# Allegro board SG2042_EVB_V1_1.brd (continued)
## Placement (name value [footprint] x y rotation side) (continued)
NOREF#15  -  [unnamed#2]  97.97 146.15 0 top
NOREF#16  -  [unnamed#3]  308.29 11 0 top
NOREF#17  VALUE  [unnamed#2]  309.3 8 0 top
NOREF#18  VALUE  [unnamed#2]  -4.5 240.84 0 top
NOREF#19  -  [unnamed#3]  -3.49 6 0 top
NOREF#20  VALUE  [unnamed#2]  309.3 235.84 0 top
NOREF#21  -  [unnamed#3]  -3.49 237.84 0 top
NOREF#22  VALUE  [unnamed#2]  -4.5 3 0 top
NOREF#23  -  [unnamed#3]  308.29 11 180 bottom
NOREF#24  -  []  711.2 -309.88 180 bottom
NOREF#25  -  [unnamed#3]  308.29 232.84 180 bottom
NOREF#26  -  [unnamed#3]  -3.49 237.84 180 bottom
NOREF#27  -  [unnamed#3]  -3.49 6 180 bottom
Q403  T2N7002AK  [SOT23-3-H10]  246.05 193.65 270 top
Q501  S9013  [SOT-23]  10.72 145.87 90 top
Q2002  S9013  [SOT23-3]  152.17 8.48 270 top
Q2003  S9013  [SOT23-3]  148.56 7.42 270 top
Q2004  S9013  [SOT23-3]  152.48 12.32 180 top
Q2005  S9013  [SOT23-3]  157.91 14.2 90 top
Q2008  T2N7002AK_NC  [SOT23-3-H10]  242.57 193.65 0 top
Q2009  T2N7002AK  [SOT23-3-H10]  263.7 177.88 0 top
Q2010  T2N7002AK  [SOT23-3-H10]  253.59 234.54 0 top
R1  1K_1%  [R0402]  211.99 99.34 0 top
R2  1K_1%  [R0402]  211.76 84.91 270 top
R3  1K_1%  [R0402]  211.99 47.47 0 top
R4  1K_1%  [R0402]  211.99 48.39 0 top
R5  1K_1%  [R0402]  211.99 100.2 0 top
R6  1K_1%  [R0402]  202.36 84.91 270 top
R7  1K_1%  [R0402]  211.99 49.3 0 top
R8  1K_1%  [R0402]  211.99 50.22 0 top
R9  1K_1%  [R0402]  63.96 98.93 180 top
R10  1K_1%  [R0402]  64.19 85.72 90 top
R11  1K_1%  [R0402]  63.96 46.18 180 top
R12  1K_1%  [R0402]  63.96 47.04 180 top
R13  1K_1%  [R0402]  63.96 99.8 180 top
R14  1K_1%  [R0402]  73.58 85.72 90 top
R15  1K_1%  [R0402]  63.96 48.92 180 top
R16  1K_1%  [R0402]  63.96 49.78 180 top
R17  3.01K_1%  [R0402]  158.17 161.32 90 bottom
R18  3.01K_1%  [R0402]  157.3 161.32 90 bottom
R19  1K_1%  [R0402]  269.47 162 0 top
R20  1K_1%  [R0402]  269.47 163.27 0 top
R21  1K_1%  [R0402]  269.47 160.73 0 top
R22  1K_1%  [R0402]  269.47 159.46 0 top
R23  1K_1%  [R0402]  269.47 158.19 0 top
R24  1K_1%  [R0402]  269.47 156.92 0 top
R25  10K_1%  [R0402]  257.99 163.27 0 bottom
R26  10K_1%  [R0402]  257.99 162 0 bottom
R27  10K_1%  [R0402]  257.99 160.73 0 bottom
R28  10K_1%  [R0402]  257.99 159.46 0 bottom
R29  10K_1%  [R0402]  257.99 158.19 0 top
R30  10K_1%  [R0402]  257.99 156.92 0 top
R31  47K_1%  [R0402]  215.9 202.9 270 bottom
R32  47K_1%  [R0402]  215.04 202.9 270 bottom
R33  47K_1%  [R0402]  214.17 202.9 270 bottom
R34  47K_1%  [R0402]  216.76 202.9 270 bottom
R35  5mR_1%  [R0805]  132.21 50.95 0 bottom
R36  22  [R0402]  197.28 200.58 270 top
R37  5mR_1%  [R0805]  132.97 50.95 0 top
R38  4.7K_1%  [R0402]  195.55 202.29 90 top
R39  4.7K_1%  [R0402]  194.69 202.29 90 top
R40  10K_1%  [R0402]  214.53 208.56 270 bottom
R41  4.7K_1%  [R0402]  64.97 217.32 90 top
R42  47K_1%  [R0402]  216.05 205.54 0 bottom
R43  10K_1%  [R0402]  130.43 48.56 270 bottom
R44  10K_1%  [R0402]  130.84 48.54 270 top
R45  0R_1% NC  [R0402]  47.62 222.33 270 top
R46  22  [R0402]  49.66 225.93 270 top
R47  22  [R0402]  46.3 225.93 270 top
R48  10K_1%  [R0402]  45.9 224.31 0 top
R49  22  [R0402]  50.65 225.93 270 top
R50  22  [R0402]  51.77 225.93 270 top
R51  22  [R0402]  45.19 225.93 270 top
R52  0R_1%  [R0402]  44.5 220.22 0 top
R53  22  [R0402]  44.07 225.93 270 top
R54  22  [R0402]  52.88 225.93 270 top
R55  10K_1%  [R0402]  46.23 220.22 180 top
R56  5mR_1%  [R0805]  127.2 45.95 0 bottom
R58  2.49K  [R0402]  23.01 198.6 180 top
R60  10K_1%  [R0402]  132.11 45.01 270 bottom
R61  22  [R0402]  24.08 192.25 270 bottom
R62  22  [R0402]  24.94 192.25 270 bottom
R63  22  [R0402]  25.81 192.25 270 bottom
R65  22  [R0402]  26.67 192.25 270 bottom
R66  22  [R0402]  27.53 192.25 270 bottom
R67  22  [R0402]  28.4 192.25 270 bottom
R68  22  [R0402]  29.44 197.89 180 bottom
R69  4.7K_1%  [R0402]  27.58 197.23 270 top
R70  4.7K_1%_NC  [R0402]  23.01 196.88 180 top
R71  4.7K_1%  [R0402]  20.95 196.88 180 top
R72  4.7K_1%_NC  [R0402]  28.4 190.22 90 top
R73  4.7K_1%  [R0402]  28.4 192.25 90 top
R74  4.7K_1%  [R0402]  24.08 190.22 90 top
R75  4.7K_1%_NC  [R0402]  24.08 192.25 90 top
R76  4.7K_1%  [R0402]  24.94 190.22 90 top
R77  4.7K_1%_NC  [R0402]  24.94 192.25 90 top
R78  4.7K_1%_NC  [R0402]  25.81 190.22 90 top
R79  4.7K_1%  [R0402]  25.81 192.25 90 top
R80  4.7K_1%_NC  [R0402]  26.67 190.22 90 top
R81  4.7K_1%  [R0402]  26.67 192.25 90 top
R82  4.7K_1%  [R0402]  27.53 190.22 90 top
R83  4.7K_1%_NC  [R0402]  27.53 192.25 90 top
R84  4.7K_1%  [R0402]  21.82 194.74 90 top
R85  4.7K_1%  [R0402]  20.95 194.74 90 top
R87  1K_1%  [R0402]  13.74 201.68 270 top
R88  0R_1%  [R0402]  14.61 201.68 270 top
R89  1K_1%  [R0402]  34.42 201.68 270 top
R90  0R_1%  [R0402]  35.28 201.68 270 top
R91  75R  [R0402]  28.96 221.08 90 bottom
R92  75R  [R0402]  25.15 221.08 90 bottom
R93  75R  [R0402]  21.34 221.08 90 bottom
R94  75R  [R0402]  17.53 221.08 90 bottom
R95  0R_1%  [R0402]  20.85 197.71 180 bottom
R96  10K_1%  [R0402]  212.34 196.98 0 bottom
R97  10K_1%  [R0402]  227.63 194.44 180 bottom
R98  4.7K_1%  [R0402]  223.42 229.57 180 top
R99  4.7K_1%  [R0402]  225.45 229.57 180 top
R100  4.7K_1%  [R0402]  227.48 229.57 180 top
R101  4.7K_1%  [R0402]  233.58 229.57 180 top
R102  4.7K_1% NC  [R0402]  227.63 194.44 0 top
R103  10K_1% NC  [R0402]  238.81 195.71 0 top
R104  1K_1%  [R0402]  19.51 162.33 180 top
R105  0R_1%  [R0402]  221.39 229.57 0 top
R106  1K_1%  [R0402]  269.47 120.62 0 top
R107  4.7K_1%  [R0402]  172.67 163.35 90 top
R108  1K_1%  [R0402]  19.51 164.87 180 top
R109  1K_1%  [R0402]  269.47 121.89 0 top
R110  1K_1%  [R0402]  269.47 119.35 0 top
R111  1K_1%  [R0402]  19.51 166.14 180 top
R112  1K_1%  [R0402]  19.51 163.6 180 top
R113  1K_1%  [R0402]  19.51 167.41 180 top
R114  1K_1%  [R0402]  269.47 116.81 0 top
R115  1K_1%  [R0402]  269.47 118.08 0 top
R116  1K_1%  [R0402]  19.51 168.68 180 top
R117  1K_1%  [R0402]  269.47 115.54 0 top
R118  0R_1% NC  [R0402]  231.75 230.43 0 top
R119  10K_1%  [R0402]  30.99 162.33 180 top
R120  10K_1%  [R0402]  30.99 163.6 180 top
R121  10K_1%  [R0402]  30.99 164.87 180 top
R122  10K_1%  [R0402]  30.99 166.14 180 top
R123  10K_1%  [R0402]  30.99 167.41 180 top
R124  22  [R0402]  179.02 164.9 270 top
R125  10K_1%  [R0402]  30.99 168.68 180 top
R126  10K_1%  [R0402]  257.99 121.89 0 top
R127  10K_1%  [R0402]  257.99 120.62 0 top
R128  10K_1%  [R0402]  257.99 119.35 0 top
R129  10K_1%  [R0402]  257.99 118.08 0 top
R130  10K_1%  [R0402]  257.99 116.81 0 top
R131  10K_1%  [R0402]  257.99 115.54 0 top
R132  22  [R0402]  9.68 180.9 0 top
R133  4.7K_1% NC  [R0402]  223.42 228.7 0 top
R134  22  [R0402]  9.68 175.82 0 top
R135  22  [R0402]  9.68 178.36 0 top
R136  4.7K_1% NC  [R0402]  229.51 228.7 0 top
R137  22  [R0402]  9.68 173.28 0 top
R138  4.7K_1% NC  [R0402]  231.75 228.7 0 top
R139  4.7K_1%  [R0402]  123.27 151.87 270 top
R140  1K_1%  [R0402]  269.47 134.11 0 top
R141  22  [R0402]  197.56 227.84 0 top
R142  22  [R0402]  185.37 227.84 0 top
R143  1K_1%  [R0402]  269.47 109.68 0 top
R144  22  [R0402]  116.92 150.85 90 top
R145  22  [R0402]  191.47 227.84 0 top
R146  1K_1%  [R0402]  269.47 132.84 0 top
R147  1K_1%  [R0402]  269.47 108.41 0 top
R148  22  [R0402]  187.4 227.84 0 top
R149  1K_1%  [R0402]  269.47 131.57 0 top
R150  1K_1%  [R0402]  269.47 107.14 0 top
R151  22  [R0402]  195.53 227.84 0 top
R152  1K_1%  [R0402]  269.47 130.3 0 top
R153  1K_1%  [R0402]  269.47 105.87 0 top
R154  22  [R0402]  189.43 227.84 0 top
R155  1K_1%  [R0402]  269.47 129.03 0 top
R156  1K_1%  [R0402]  269.47 104.6 0 top
R157  1K_1%  [R0402]  269.47 127.76 0 top
R158  1K_1%  [R0402]  269.47 103.33 0 top
R159  22  [R0402]  235.61 227.84 0 top
R160  22  [R0402]  223.42 227.84 0 top
R161  4.7K_1%  [R0402]  145.01 158.62 0 top
R162  22  [R0402]  229.51 227.84 0 top
R163  22  [R0402]  225.45 227.84 0 top
R164  10K_1%  [R0402]  257.99 134.11 0 top
R165  10K_1%  [R0402]  257.99 129.03 0 top
R166  10K_1%  [R0402]  257.99 127.76 0 top
R167  10K_1%  [R0402]  257.99 109.68 0 top
R168  10K_1%  [R0402]  257.99 108.41 0 top
R169  10K_1%  [R0402]  257.99 107.14 0 top
R170  10K_1%  [R0402]  257.99 105.87 0 top
R171  10K_1%  [R0402]  257.99 104.6 0 top
R172  22  [R0402]  233.58 227.84 0 top
R173  22  [R0402]  211.99 182.3 0 top
R174  22  [R0402]  159.49 227.84 0 top
R175  4.7K_1%  [R0402]  195.53 229.57 180 top
R176  10K_1%  [R0402]  257.99 132.84 0 top
R177  10K_1%  [R0402]  257.99 131.57 0 top
R178  10K_1%  [R0402]  257.99 130.3 0 top
R179  10K_1%  [R0402]  257.99 103.33 0 top
R180  22  [R0402]  227.48 227.84 0 top
R181  4.7K_1%  [R0402]  185.37 229.57 180 top
R182  4.7K_1%  [R0402]  187.4 229.57 180 top
R183  4.7K_1%  [R0402]  189.43 229.57 180 top
R184  22  [R0402]  147.29 227.84 0 top
R185  22  [R0402]  153.39 227.84 0 top
R186  22  [R0402]  146.02 152.27 180 top
R187  0R_1%  [R0402]  183.34 229.57 0 top
R188  22  [R0402]  149.33 227.84 0 top
R189  22  [R0402]  211.99 181.43 0 top
R190  22  [R0402]  157.45 227.84 0 top
R191  22  [R0402]  151.36 227.84 0 top
R192  0R_1% NC  [R0402]  193.7 230.43 0 top
R193  4.7K_1% NC  [R0402]  185.37 228.7 0 top
R194  4.7K_1% NC  [R0402]  191.47 228.7 0 top
R195  4.7K_1% NC  [R0402]  193.7 228.7 0 top
R196  4.7K_1%  [R0402]  281.81 189.76 180 bottom
R197  4.7K_1%  [R0402]  281.81 188.9 180 bottom
R198  4.7K_1%  [R0402]  281.81 188.04 180 bottom
R199  4.7K_1%  [R0402]  281.81 187.17 180 bottom
R200  4.7K_1%  [R0402]  281.81 186.31 180 bottom
R201  4.7K_1%  [R0402]  281.81 185.45 180 bottom
R202  4.7K_1%  [R0402]  281.81 184.58 180 bottom
R203  22  [R0402]  283.49 223.16 180 top
R204  22  [R0402]  283.49 222.3 180 top
R205  22  [R0402]  283.49 221.44 180 top
R206  22  [R0402]  283.49 220.57 180 top
R207  22  [R0402]  210.64 189.31 0 top
R208  4.7K_1%  [R0402]  281.81 183.72 180 bottom
R209  22  [R0402]  225.6 189.31 0 top
R210  22  [R0402]  223.52 186.77 180 top
R211  22  [R0402]  212.34 188.04 0 top
R212  22  [R0402]  223.52 185.5 180 top
R213  22  [R0402]  283.49 219.71 180 top
R214  22  [R0402]  283.49 218.85 180 top
R215  22  [R0402]  210.64 196.98 0 top
R216  22  [R0402]  283.49 217.98 180 top
R217  22  [R0402]  225.6 196.98 0 top
R218  22  [R0402]  283.49 217.12 180 top
R219  22  [R0402]  223.52 194.44 180 top
R220  22  [R0402]  212.34 195.71 0 top
R221  22  [R0402]  283.49 207.92 180 top
R222  22  [R0402]  223.52 193.17 180 top
R223  22  [R0402]  283.49 207.06 180 top
R224  22  [R0402]  283.49 206.2 180 top
R225  22  [R0402]  283.44 138.43 0 top
R226  4.7K_1%  [R0402]  147.29 229.57 180 top
R227  4.7K_1%  [R0402]  149.33 229.57 180 top
R228  4.7K_1%  [R0402]  151.36 229.57 180 top
R229  4.7K_1%  [R0402]  157.45 229.57 180 top
R230  22  [R0402]  283.49 205.33 180 top
R231  22  [R0402]  283.44 137.57 0 top
R232  22  [R0402]  283.44 156.26 0 top
R233  22  [R0402]  283.49 204.47 180 top
R234  22  [R0402]  283.44 155.4 0 top
R235  0R_1%  [R0402]  145.26 229.57 0 top
R236  22  [R0402]  283.49 203.61 180 top
R237  22  [R0402]  283.44 154.53 0 top
R238  22  [R0402]  283.49 202.74 180 top
R239  22  [R0402]  283.44 153.67 0 top
R240  22  [R0402]  283.49 201.88 180 top
R241  22  [R0402]  283.44 152.81 0 top
R242  22  [R0402]  283.44 151.94 0 top
R243  22  [R0402]  281.81 189.76 180 top
R244  22  [R0402]  283.44 151.08 0 top
R245  0R_1% NC  [R0402]  155.63 230.43 0 top
R246  22  [R0402]  48.97 177.7 0 top
R247  22  [R0402]  281.81 188.04 180 top
R248  22  [R0402]  281.81 187.17 180 top
R249  22  [R0402]  48.97 178.56 0 top
R250  4.7K_1% NC  [R0402]  153.39 228.7 0 top
R251  4.7K_1% NC  [R0402]  155.63 228.7 0 top
R252  22  [R0402]  281.81 185.45 180 top
R253  4.7K_1% NC  [R0402]  147.29 228.7 0 top
R254  22  [R0402]  56.01 182.7 0 top
R255  22  [R0402]  49.89 172.9 0 bottom
R256  5mR_1%  [R0805]  137.9 50.95 0 bottom
R257  0R_1%  [R0402]  136.14 48.67 90 bottom
R258  10K_1%  [R0402]  135.28 48.67 90 bottom
R262  10K_1%  [R0402]  279.5 232.61 0 top
R266  22  [R0402]  146.25 14.05 0 top
R267  22  [R0402]  146.25 14.91 0 top
R268  22  [R0402]  146.25 17.5 0 top
R269  22  [R0402]  146.25 18.36 0 top
R270  22  [R0402]  146.25 20.95 0 top
R271  22  [R0402]  146.25 21.82 0 top
R272  4.7K_1% NC  [R0402]  137.87 5.41 0 top
R274  22  [R0402]  146.25 22.78 0 top
R275  22  [R0402]  146.25 23.65 0 top
R276  4.7K_1%  [R0402]  135.84 5.41 0 top
R277  0R_1%  [R0402]  139.83 13.61 270 top
R278  0R_1%  [R0402]  138.96 13.61 270 top
R280  22  [R0402]  134.52 19.46 180 top
R281  22  [R0402]  134.52 20.32 180 top
R282  22  [R0402]  134.52 16 180 top
R283  22  [R0402]  134.52 16.87 180 top
R284  22  [R0402]  140.34 26.01 270 top
R285  22  [R0402]  139.47 26.01 270 top
R286  49.9R_1%  [R0402]  29.77 100.53 270 top
R287  49.9R_1%  [R0402]  29.77 102.27 90 top
R288  49.9R_1%  [R0402]  133.2 17.3 90 top
R289  49.9R_1%  [R0402]  133.2 15.57 270 top
R290  49.9R_1%  [R0402]  133.2 20.75 90 top
R291  49.9R_1%  [R0402]  133.2 19.02 270 top
R292  49.9R_1%  [R0402]  234.39 48.27 90 top
R293  49.9R_1%  [R0402]  234.39 46.53 270 top
R294  49.9R_1%  [R0402]  275.03 48.27 90 top
R295  49.9R_1%  [R0402]  275.03 46.53 270 top
R296  49.9R_1%  [R0402]  147.57 18.8 90 top
R297  49.9R_1%  [R0402]  147.57 17.07 270 top
R298  49.9R_1%  [R0402]  147.57 15.34 90 top
R299  49.9R_1%  [R0402]  147.57 13.61 270 top
R304  4.7K_1%_NC  [R0402]  119.86 223.47 0 top
R305  0.5m_0.5%  [R2512]  182.93 13.54 0 top
R306  10R_1%  [R0402]  148.16 29.84 0 bottom
R307  100K_1%_NC  [R0402]  148.16 28.12 0 bottom
R308  5mR_1%  [R0805]  146.05 40.74 90 bottom
R310  0R_1%  [R0402]  146.51 29.44 270 bottom
R311  1K_1%  [R0402]  145.21 28.14 180 bottom
R312  5mR_1%  [R0805]  111.53 222.43 0 top
R313  13K_1%_NC  [R0402]  146.51 27.71 90 bottom
R315  10K_1%  [R0402]  149.17 42.75 0 bottom
R324  200R_1%  [R0402]  251.18 235.43 270 top
R326  10K_1%  [R0402]  136.58 46.23 180 top
R333  10R_1%  [R0402]  85.62 224 180 bottom
R334  100K_1%  [R0402]  85.62 225.73 180 bottom
R335  10K_1%  [R0402]  148.74 43.18 270 top
R336  75K_1%  [R0402]  87.76 224.43 90 bottom
R337  40.2K_1%  [R0402]  89.08 225.73 0 bottom
R338  10K_1%  [R0402]  151.51 35.36 270 bottom
R339  10R_1%  [R0402]  156.69 26.92 0 bottom
R340  13K_1%  [R0402]  87.35 225.73 0 bottom
R341  100K_1%_NC  [R0402]  156.69 25.2 0 bottom
R342  5mR_1%  [R0805]  154.58 37.9 90 bottom
R344  40.2K_1%  [R0402]  153.24 25.2 180 bottom
R348  10K_1%  [R0402]  160.3 29.01 270 top
R349  5mR_1%_NC  [R0805]  154.58 37.9 90 top
R353  10R_1%  [R0402]  154.41 26.92 180 top
R354  100K_1%_NC  [R0402]  154.41 25.2 180 top
R355  5mR_1%  [R0805]  157.53 34.67 0 top
R357  40.2K_1%  [R0402]  157.86 25.2 0 top
R364  15K_1%  [R0402]  65.3 202.11 180 top
R365  3R_1%  [R0402]  174.35 199.8 90 bottom
R366  3R_1%  [R0402]  154.23 199.8 90 bottom
R368  3R_1%  [R0402]  164.29 199.8 90 bottom
R369  10R NC  [R0402]  170.41 193.32 0 bottom
R370  10R NC  [R0402]  160.35 193.32 0 bottom
R371  1K_1%  [R0402]  64.01 202.51 90 top
R372  10R NC  [R0402]  180.47 193.32 0 bottom
R373  100R_1%  [R0402]  176.53 178.21 270 top
R376  0R_1%_NC  [R0402]  134.67 162.13 90 bottom
R377  4.7K_1%  [R0402]  177.32 200.84 0 bottom
R378  4.7K_1%  [R0402]  167.26 200.84 0 bottom
R379  0R_1%_NC  [R0402]  135.53 162.13 90 bottom
R381  4.7K_1%  [R0402]  157.2 200.84 0 bottom
R382  0R_1% NC  [R0402]  174.35 201.5 270 bottom
R383  0R_1% NC  [R0402]  164.29 201.5 270 bottom
R384  0R_1% NC  [R0402]  154.23 201.5 270 bottom
R385  0R_1% NC  [R0402]  175.64 203.07 0 top
R386  0R_1% NC  [R0402]  165.58 203.07 0 top
R387  0R_1% NC  [R0402]  155.52 203.07 0 top
R388  7.87K_1% NC  [R0402]  176.91 202.59 90 top
R389  7.87K_1% NC  [R0402]  166.85 202.59 90 top
R390  7.87K_1% NC  [R0402]  156.79 202.59 90 top
R392  0R_1%  [R0402]  65.3 197.82 180 top
R393  49.9K_1%  [R0402]  64.01 197.41 270 top
R394  0R_1%  [R0402]  126.16 42.93 270 top
R395  0R_1%  [R0402]  127.03 42.93 270 top
R396  3.01K_1%_NC  [R0402]  64.44 196.11 0 top
R397  3R_1%  [R0402]  144.17 199.8 90 bottom
R398  10R NC  [R0402]  150.29 193.32 0 bottom
R399  3R_1%  [R0402]  134.11 199.8 90 bottom
R400  10R NC  [R0402]  140.23 193.32 0 bottom
R401  3R_1%  [R0402]  124.05 199.8 90 bottom
R402  10R NC  [R0402]  130.18 193.32 0 bottom
R403  4.7K_1%  [R0402]  147.14 200.84 0 bottom
R404  4.7K_1%  [R0402]  137.08 200.84 0 bottom
R405  4.7K_1%  [R0402]  127.03 200.84 0 bottom
R406  0R_1% NC  [R0402]  144.17 201.5 270 bottom
R407  0R_1% NC  [R0402]  134.11 201.5 270 bottom
R408  0R_1% NC  [R0402]  124.05 201.5 270 bottom
R409  0R_1% NC  [R0402]  145.47 203.07 0 top
R410  0R_1% NC  [R0402]  135.41 203.07 0 top
R411  0R_1% NC  [R0402]  125.35 203.07 0 top
R412  7.87K_1% NC  [R0402]  146.74 202.59 90 top
R413  7.87K_1% NC  [R0402]  136.68 202.59 90 top
R414  7.87K_1% NC  [R0402]  126.62 202.59 90 top
R415  3R_1%  [R0402]  93.88 199.8 90 bottom
R416  5mR_1%  [R0805]  125.63 38.23 90 top
R417  10R NC  [R0402]  123.37 22.78 180 bottom
R418  3R_1%  [R0402]  103.94 199.8 90 bottom
R419  10R NC  [R0402]  100 193.32 0 bottom
R420  3R_1%  [R0402]  129.49 16.74 270 bottom
R421  10R NC  [R0402]  110.06 193.32 0 bottom
R422  3R_1%  [R0402]  114 199.8 90 bottom
R423  10R NC  [R0402]  120.12 193.32 0 bottom
R424  4.7K_1%  [R0402]  116.97 200.84 0 bottom
R425  4.7K_1%  [R0402]  106.91 200.84 0 bottom
R426  4.7K_1%  [R0402]  96.85 200.84 0 bottom
R427  4.7K_1%  [R0402]  126.52 15.7 180 bottom
R428  0R_1% NC  [R0402]  93.88 201.5 270 bottom
R429  0R_1% NC  [R0402]  129.49 15.04 90 bottom
R430  0R_1% NC  [R0402]  114 201.5 270 bottom
R431  0R_1% NC  [R0402]  103.94 201.5 270 bottom
R432  0R_1% NC  [R0402]  95.17 203.07 0 top
R433  0R_1% NC  [R0402]  128.19 13.46 180 top
R434  0R_1% NC  [R0402]  115.29 203.07 0 top
R435  0R_1% NC  [R0402]  105.23 203.07 0 top
R436  7.87K_1% NC  [R0402]  116.56 202.59 90 top
R437  7.87K_1% NC  [R0402]  106.5 202.59 90 top
R438  7.87K_1% NC  [R0402]  96.44 202.59 90 top
R439  7.87K_1% NC  [R0402]  126.92 13.94 270 top
R441  10K_1%  [R0402]  123.83 40.36 180 top
R443  10K_1%  [R0402]  222.1 116.15 270 top
R445  10K_1%  [R0402]  220.14 107.8 180 top
R447  5mR_1%  [R0805]  222.22 105.51 180 top
R449  10K_1%  [R0402]  220.14 108.66 0 top
R450  0R_1%  [R0402]  223.55 109.52 180 top
R452  10K_1%  [R0402]  227.76 107.8 90 top
R457  100K_1%_NC  [R0402]  220.37 67.13 90 top
R458  5mR_1%  [R0805]  217.98 48.21 270 top
R459  10K_1%  [R0402]  214.07 61.34 90 top
R460  1K_1%  [R0402]  221.23 64.52 270 top
R461  4.7K_1%  [R0402]  220.37 65.41 90 top
R462  15K_1%  [R0402]  221.67 65.81 0 top
R463  10K_1%  [R0402]  221.23 67.13 270 top
R464  5.6K_1%  [R0402]  221.67 62.33 180 top
R466  0R_1%  [R0402]  221.67 63.2 180 top
R467  10K_1%  [R0402]  220.93 46.61 270 top
R468  0R_1%  [R0402]  135.53 161.32 270 bottom
R469  0R_1%  [R0402]  134.67 161.32 270 bottom
R470  4.7K_1%  [R0402]  149.17 158.62 0 top
R471  22  [R0402]  150.19 152.27 180 top
R472  22  [R0402]  283.44 150.22 0 top
R473  22  [R0402]  283.44 141.02 0 top
R474  22  [R0402]  283.44 140.16 0 top
R475  22  [R0402]  283.44 139.29 0 top
R476  10K_1%  [R0402]  140.03 49.15 270 bottom
R480  3.01K_1%  [R0402]  63.14 195.71 270 top
R481  0R_1%  [R0402]  65.3 198.7 180 top
R482  49.9K_1%  [R0402]  64.01 199.11 90 top
R483  1K_1%  [R0402]  266.29 180.82 270 bottom
R484  1K_1%  [R0402]  265.43 180.82 270 bottom
R489  1K_1%  [R0402]  213.33 165.68 270 top
R490  1K_1%  [R0402]  212.47 165.68 270 top
R491  1K_1%  [R0402]  213.33 163.65 270 top
R492  1K_1%  [R0402]  212.47 163.65 270 top
R493  1K_1%  [R0402]  62.61 165.68 270 top
R494  1K_1%  [R0402]  63.47 165.68 270 top
R495  1K_1%  [R0402]  62.61 163.68 270 top
R496  1K_1%  [R0402]  63.47 163.68 270 top
R574  10K_1%  [R0402]  145.44 7.95 90 top
R576  4.7K_1%  [R0402]  255.88 234.54 270 top
R577  10K_1%  [R0402]  152.81 6.35 180 top
R578  1K_1%  [R0402]  149.91 9.02 270 top
R580  10K_1%  [R0402]  11.38 143.69 180 top
R581  10K_1%  [R0402]  150.77 6.35 0 top
R588  10K_1%  [R0402]  10.82 149.3 270 top
R593  22  [R0402]  9.68 143.69 0 top
R594  22  [R0402]  293.19 173.56 0 top
R595  22  [R0402]  293.19 172.69 0 top
R597  22  [R0402]  9.68 153.85 0 top
R598  22  [R0402]  9.68 156.39 0 top
R599  22  [R0402]  9.68 158.93 0 top
R600  22  [R0402]  9.68 132.26 0 top
R621  0R_1%  [R0402]  230.5 211.38 180 bottom
R622  15K_1%  [R0402]  226.09 216.08 270 top
R624  1K_1%  [R0402]  226.49 214.78 0 top
R630  0R_1%  [R0402]  236.65 205.92 0 top
R631  0R_1%  [R0402]  236.65 206.78 0 top
R634  0R_1%  [R0402]  231.19 216.08 270 top
R635  0R_1%  [R0402]  229.49 216.08 270 top
R636  0R_1%  [R0402]  234.59 215.19 90 top
R637  49.9K_1%  [R0402]  229.9 214.78 0 top
R638  49.9K_1%  [R0402]  231.6 214.78 0 top
R639  0R_1%  [R0402]  235.46 215.19 90 top
R640  3.01K_1%  [R0402]  233.3 214.78 0 top
R641  3.01K_1%  [R0402]  232.89 216.08 90 top
R642  3R_1%  [R0402]  224.1 76.17 270 bottom
R643  10R NC  [R0402]  217.98 82.22 180 bottom
R644  100R_1%  [R0402]  222.43 97.16 0 top
R645  4.7K_1%  [R0402]  221.13 75.13 180 bottom
R646  0R_1% NC  [R0402]  224.1 74.47 90 bottom
R647  0R_1% NC  [R0402]  222.81 72.9 180 top
R648  7.87K_1% NC  [R0402]  221.54 73.38 270 top
R649  3R_1%  [R0402]  59.56 76.78 270 bottom
R650  10R NC  [R0402]  53.44 82.83 180 bottom
R651  4.7K_1%  [R0402]  56.59 75.74 180 bottom
R652  0R_1% NC  [R0402]  59.56 75.08 90 bottom
R653  0R_1% NC  [R0402]  58.27 73.51 180 top
R654  7.87K_1% NC  [R0402]  57 73.99 270 top
R655  10K_1%  [R0402]  54.76 118.41 270 top
R657  10K_1%  [R0402]  52.81 110.06 180 top
R658  5mR_1%  [R0805]  55.8 107.06 270 top
R659  10K_1%  [R0402]  52.81 110.92 0 top
R660  0R_1%  [R0402]  56.21 111.79 180 top
R661  10K_1%  [R0402]  51.82 107.19 270 top
R662  5mR_1%  [R0805]  57.1 48.11 270 top
R663  100K_1%_NC  [R0402]  60.6 67.03 90 top
R664  1K_1%  [R0402]  61.47 64.41 270 top
R665  10K_1%  [R0402]  54.31 61.24 90 top
R666  4.7K_1%  [R0402]  60.6 65.3 90 top
R667  15K_1%  [R0402]  61.9 65.71 0 top
R668  10K_1%  [R0402]  61.47 67.03 270 top
R669  5.6K_1%  [R0402]  61.9 62.23 180 top
R671  0R_1%  [R0402]  61.9 63.09 180 top
R672  10K_1%  [R0402]  51.87 50.06 0 top
R674  100K_1%_NC  [R0402]  145.52 29.16 0 top
R675  1K_1%  [R0402]  142.9 28.3 180 top
R676  10K_1%  [R0402]  139.73 35.46 0 top
R677  30.1K_1%  [R0402]  143.79 29.16 0 top
R679  10K_1%  [R0402]  145.52 28.3 180 top
R680  5.6K_1%  [R0402]  140.72 27.86 90 top
R682  0R_1%  [R0402]  141.6 27.86 90 top
R683  5mR_1%_NC  [R0805]  142.47 43.23 90 top
R684  5mR_1%_NC  [R0805]  129.97 40.79 180 top
R685  5mR_1%  [R0805]  146.23 42.21 0 top
R686  5mR_1%  [R0805]  135.46 43.23 90 top
R689  10K_1%  [R0402]  229.36 95.07 0 bottom
R693  10K_1%  [R0402]  220.62 101.8 270 top
R694  10K_1%  [R0402]  45.9 94.89 270 bottom
R695  10K_1%  [R0402]  55.17 103.2 180 top
R701  240R_1%  [R0201]  159.97 93.65 0 bottom
R1141  10K_1%  [R0402]  268.4 232.61 0 top
R1142  10R_1%  [R0402]  99.75 224 180 bottom
R1143  100K_1%  [R0402]  99.75 224.87 180 bottom
R1144  75K_1%  [R0402]  101.4 224.43 90 bottom
R1145  40.2K_1%  [R0402]  102.72 225.73 0 bottom
R1146  13K_1%  [R0402]  100.99 225.73 0 bottom
R1183  0R_1%  [R0402]  28.88 121.28 90 top
R1214  22  [R0402]  58.01 187.2 0 top
R1215  22  [R0402]  58.01 189.48 0 top
R1216  22  [R0402]  58.75 185.37 0 top
R1217  22  [R0402]  56.29 191.01 0 top
R1218  22  [R0402]  58.01 190.5 0 top
R1219  22  [R0402]  58.01 188.19 0 top
R1220  22  [R0402]  257.99 163.27 0 top
R1221  22  [R0402]  257.99 162 0 top
R1222  22  [R0402]  269.47 150.06 180 top
R1223  22  [R0402]  258.29 151.33 0 top
R1224  22  [R0402]  269.47 148.79 180 top
R1225  22  [R0402]  258.29 150.06 0 top
R1226  22  [R0402]  269.47 147.52 180 top
R1227  22  [R0402]  258.29 148.79 0 top
R1228  22  [R0402]  257.99 160.73 0 top
R1229  22  [R0402]  257.99 159.46 0 top
R1230  22  [R0402]  258.29 143.51 0 top
R1231  22  [R0402]  269.47 142.24 180 top
R1232  22  [R0402]  269.47 140.97 180 top
R1233  22  [R0402]  258.29 142.24 0 top
R1234  22  [R0402]  269.47 139.7 180 top
R1235  22  [R0402]  258.29 140.97 0 top
R1246  22  [R0402]  200.74 200.58 270 top
R1247  22  [R0402]  202.46 200.58 270 top
R1248  22  [R0402]  201.6 200.58 270 top
R1249  22  [R0402]  199.87 200.58 270 top
R1250  22  [R0402]  196.42 200.58 270 top
R1251  22  [R0402]  198.15 200.58 270 top
R1252  22  [R0402]  199.01 200.58 270 top
R1253  22  [R0402]  194.69 200.58 270 top
R1254  22  [R0402]  195.55 200.58 270 top
R1255  10K_1%  [R0402]  212.34 189.31 0 bottom
R1256  10K_1%  [R0402]  227.63 186.77 180 bottom
R1257  4.7K_1% NC  [R0402]  227.63 186.77 0 top
R1258  10K_1% NC  [R0402]  238.81 188.04 0 top
R1259  10K_1%  [R0402]  258.29 151.33 180 bottom
R1260  10K_1%  [R0402]  258.29 148.79 180 bottom
R1261  4.7K_1% NC  [R0402]  258.29 147.93 0 bottom
R1262  10K_1% NC  [R0402]  269.47 150.06 0 bottom
R1263  10K_1%  [R0402]  258.29 143.51 180 bottom
R1264  10K_1%  [R0402]  258.29 140.97 180 bottom
R1265  4.7K_1% NC  [R0402]  258.29 140.11 0 bottom
R1266  10K_1% NC  [R0402]  269.47 142.24 0 bottom
R1267  22  [R0402]  56.77 183.64 0 top
R1268  22  [R0402]  58.01 184.51 0 top
R1305  100K_1%  [R0402]  55.63 118.41 90 top
R1306  100K_1%  [R0402]  222.96 116.15 90 top